# Allegro board 1010260-900-0012_PCB_Rev-a.brd (continued)
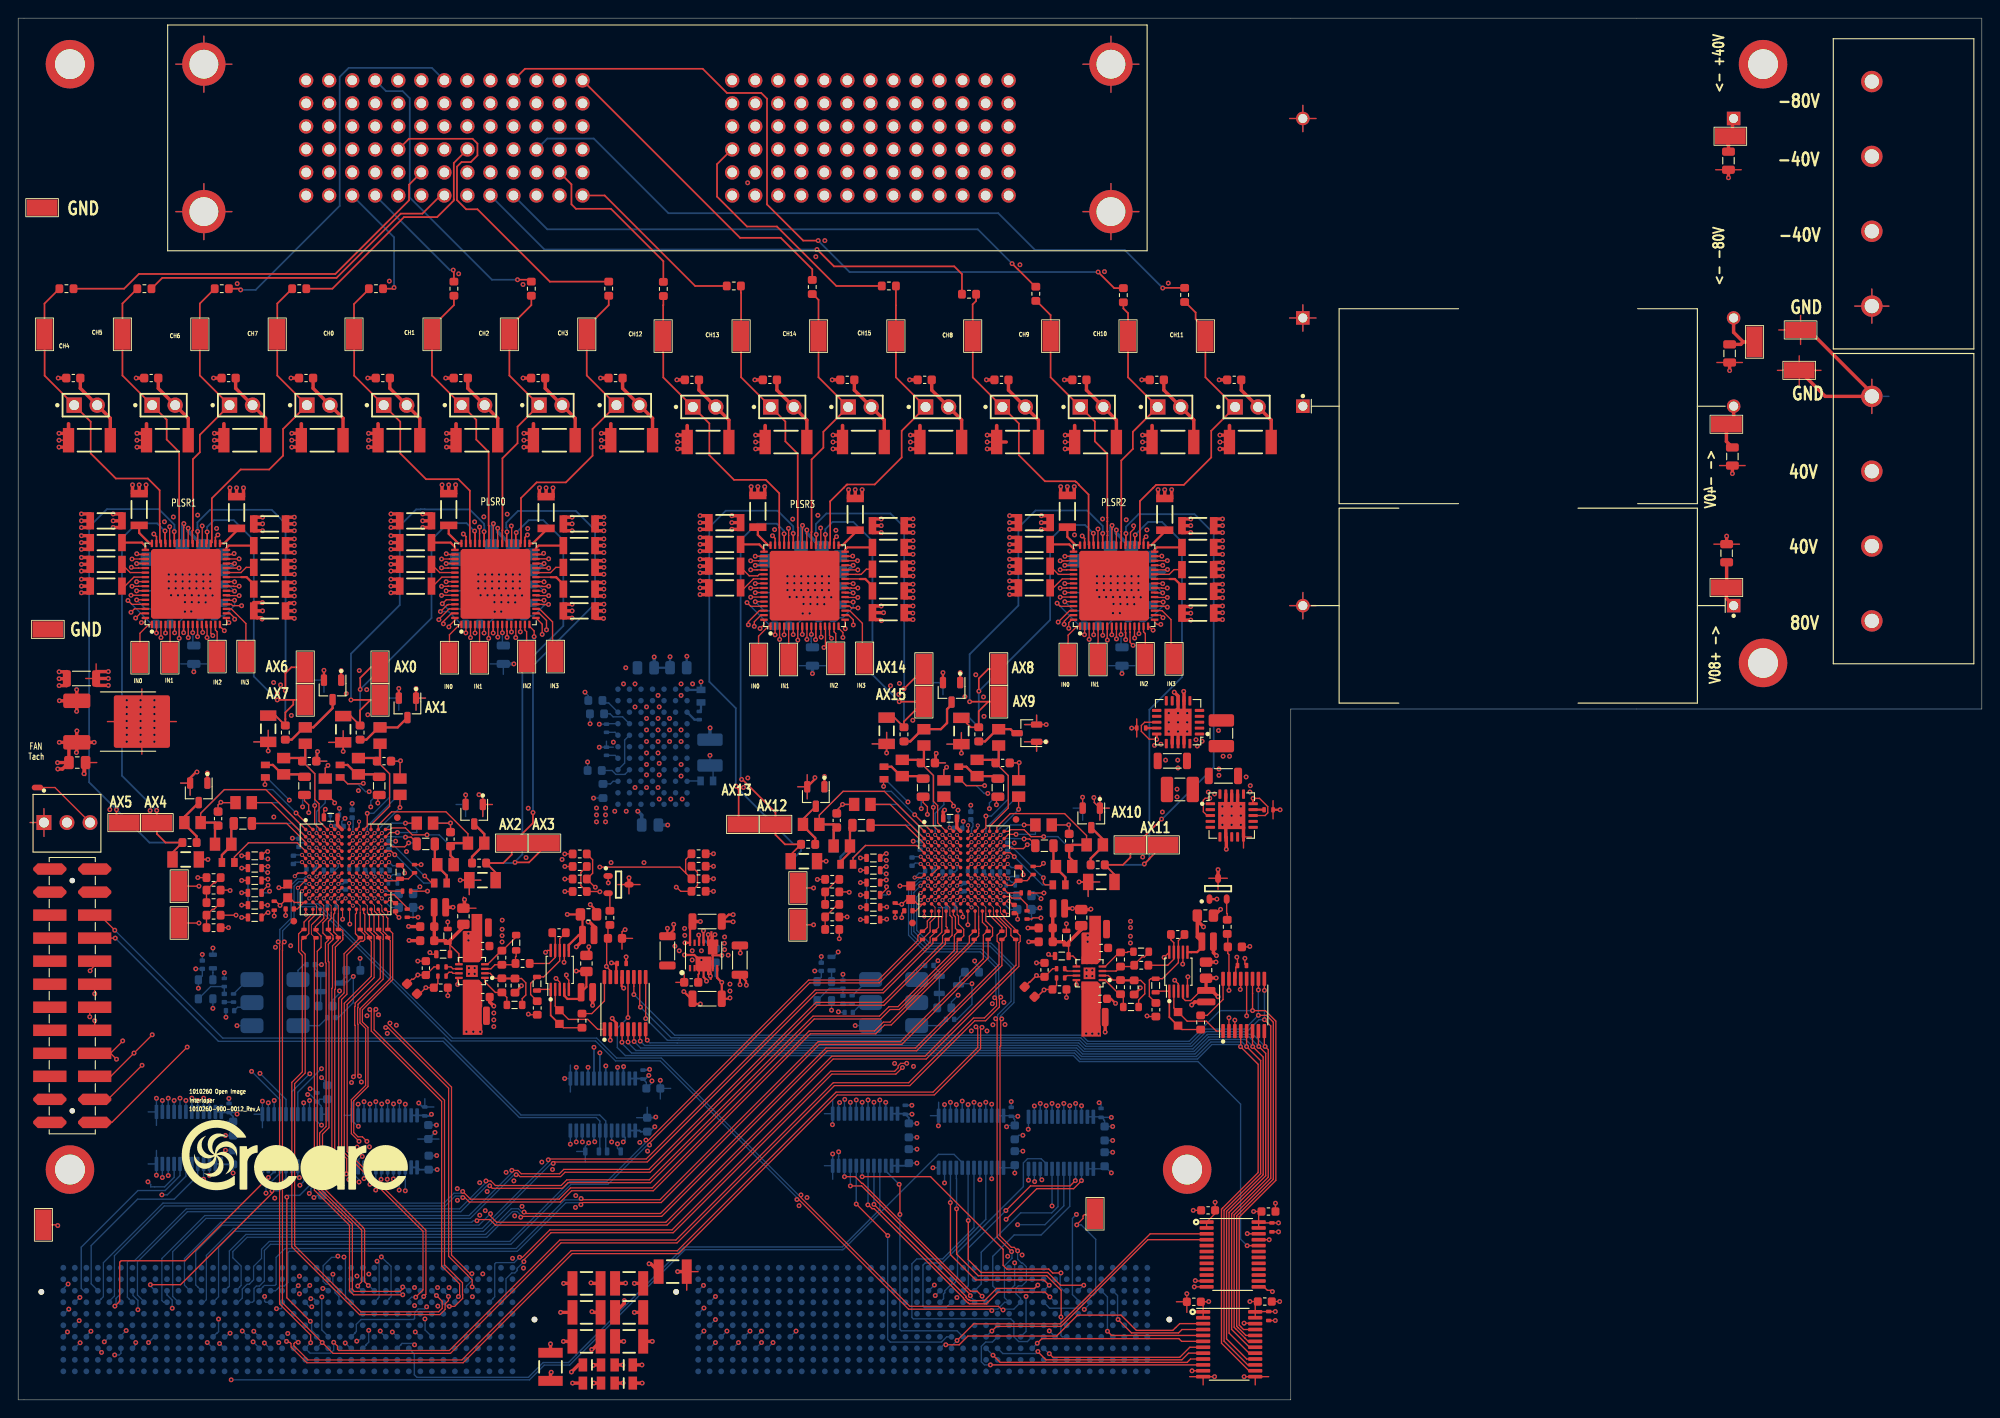
[diagram p0: board, top side]
## Routing (per net, layer and track width the routed paths; a pad name or vN(x,y) marks a point on that pad's centre or on a via; arc(x,y) is an arc through that point) (continued)
AX3: length 55.6
  TOP w0.196: v1(54.92,95.66) 54.92,95.56 54.88,95.52 U37.36 ; v1(54.79,59.29) 56.34,59.29 58.03,60.98 TP9.1
  BOTTOM w0.196: 54.72,59.29 54.73,59.29 v1(54.79,59.29) ; 54.72,59.29 54.65,59.21 R29.1 52.65,58.17 R34.2 ; 54.72,59.29 55.6,60.16 55.6,80.85 60.12,85.36 60.12,94.82 57.91,97.03 56.3,97.03 v1(54.92,95.66)
AX4: length 46.9
  TOP w0.196: v1(15.28,65.01) 15.3,64.99 TP4.1 15.3,62.43 16.25,61.47 R3.1 17.03,60.38 R7.2 ; v1(16.2,95.83) 16.2,94.52 U36.45
  BOTTOM w0.196: v1(15.28,65.01) 11.45,68.84 11.45,95.04 13.08,96.67 15.34,96.67 16.17,95.83 v1(16.2,95.83)
AX5: length 58.3
  TOP w0.196: v1(17.21,95.77) 17.21,94.5 U36.43 ; TP6.1 10.85,64.52 v1(10.85,65.1)
  BOTTOM w0.196: v1(17.21,95.77) 17.21,96.07 17.24,96.09 17.24,96.52 15.51,98.25 9.79,98.25 7.82,96.28 7.82,68.12 v1(10.85,65.1) 14.48,61.47 18.11,61.47 ; R14.2 17.03,60.38 18.11,61.47 ; 18.11,61.47 R12.1
AX6: length 42.3
  TOP w0.196: U36.38 19.79,94.51 v1(19.79,95.78) ; TP8.1 30.13,80.8 29.46,80.14 v1(29.46,78.23)
  BOTTOM w0.196: v1(19.79,95.78) 19.79,96.15 19.77,96.18 19.77,96.78 21.16,98.17 27.97,98.17 29.49,96.65 29.49,78.26 v1(29.46,78.23) R21.1 28.37,75.47 R25.2
AX7: length 35.5
  TOP w0.196: v1(20.84,95.73) 20.84,94.55 U36.36 ; v1(28.58,77.2) 30.34,77.2 ; 30.34,77.2 TP10.1 ; 30.34,77.2 30.34,76.69 29.46,75.82 29.46,75.07 29.46,75.07 R30.1 28.37,75.47 R35.2
  BOTTOM w0.196: v1(20.84,95.73) 20.84,96.28 21.59,97.03 23.77,97.03 25.99,94.82 25.99,79.79 v1(28.58,77.2)
AX8: length 37.5
  TOP w0.196: TP13.1 106.97,80.61 105.94,79.57 v1(105.94,78.16) ; v1(118.56,95.58) 118.56,94.31 U38.45
  BOTTOM w0.196: v1(118.56,95.58) 117.64,96.49 115.42,96.49 113.8,94.87 113.8,86.02 v1(105.94,78.16) 105.92,78.15 R81.1 104.88,75.22 R85.2
AX9: length 43.1
  TOP w0.196: U38.43 v1(119.6,95.56) ; v1(104.92,77.01) 106.97,77.01 ; 106.97,77.01 TP15.1 ; 106.97,77.01 105.92,75.96 R90.1 105.05,74.18 R95.2
  BOTTOM w0.196: v1(119.6,95.56) 119.6,96.38 117.88,98.09 112.18,98.09 110.29,96.21 110.29,87.61 104.92,82.24 v1(104.92,77.01)
AX10: length 58.6
  TOP w0.196: R103.2 120.89,57.95 R99.1 121.82,59.01 122.65,59.84 TP17.1 123.24,61.21 v1(126.09,64.06) ; v1(122.15,95.55) 122.15,94.33 U38.38
  BOTTOM w0.196: v1(122.15,95.55) 122.15,96.3 123.55,97.69 129.72,97.69 131.83,95.57 131.83,69.76 126.14,64.06 v1(126.09,64.06)
AX11: length 54.8
  TOP w0.196: TP19.1 124.74,59.7 124.74,59.66 v1(124.18,59.11) ; v1(123.17,95.4) 123.17,95.34 123.14,95.3 123.14,94.31 U38.36
  BOTTOM w0.196: R113.2 120.89,57.95 R108.1 124.09,59.01 v1(124.18,59.11) 124.74,59.66 124.74,76.12 128.33,79.72 128.33,94.63 126.13,96.83 124.6,96.83 v1(123.17,95.4)
AX12: length 47.2
  TOP w0.196: U39.45 84.47,95.44 84.46,95.45 v1(84.46,95.53) ; v1(79.78,68.43) 79.86,68.43 83.51,64.78 TP14.1 83.51,62.32 84.56,61.27 R82.1 85.19,60.13 R86.2
  BOTTOM w0.196: v1(79.78,68.43) 79.78,68.53 79.66,68.64 79.66,94.83 81.47,96.64 83.66,96.64 84.46,95.83 v1(84.46,95.53)
AX13: length 59.3
  TOP w0.196: v1(79.15,67.69) 79.15,67.64 79.45,67.34 79.45,63.93 TP16.1 ; U39.43 v1(85.47,95.56)
  BOTTOM w0.196: R93.2 86.33,60.55 R91.1 85.51,61.27 79.15,67.64 v1(79.15,67.69) 79.13,67.7 79.13,76.29 76.22,79.21 76.22,96.26 78.03,98.07 83.74,98.07 85.47,96.34 v1(85.47,95.56)
AX14: length 40.7
  TOP w0.196: TP18.1 99.85,80.61 v1(97.68,78.44) ; v1(88.01,95.45) 88.01,94.31 U39.38
  BOTTOM w0.196: R104.2 96.61,75.25 R100.1 v1(97.68,78.44) 97.7,78.46 97.7,96.25 96.19,97.76 89.13,97.76 87.96,96.6 87.96,95.7 88.01,95.66 v1(88.01,95.45)
AX15: length 35.9
  TOP w0.196: R114.2 96.61,75.25 R109.1 97.68,74.81 99.87,77.01 ; v1(97.16,77.01) 99.87,77.01 ; 99.87,77.01 TP20.1 ; U39.36 89.01,94.31 v1(89.01,95.45)
  BOTTOM w0.196: v1(89.01,95.45) 89.01,96.04 89.81,96.83 92.09,96.83 94.2,94.72 94.2,79.98 97.16,77.03 v1(97.16,77.01)
CH0: length 13.3
  TOP w0.196: R167.2 41.33,122.56 v1(41.45,122.68)
  BOTTOM w0.196: v1(41.45,122.68) 41.45,128.22 J4.C1
CH1: length 13.3
  TOP w0.196: R168.2 48.05,124.54 v1(47.98,124.61)
  BOTTOM w0.196: J4.D1 47.6,124.61 v1(47.98,124.61)
CH2: length 32.8
  TOP w0.196: R169.2 56.38,123.55 v1(55.07,123.55)
  BOTTOM w0.196: v1(55.07,123.55) 52.25,123.55 43.18,132.61 43.18,143.56 42.39,144.35 40.57,144.35 J4.D6
CH3: length 37.6
  TOP w0.196: J4.E3 43.09,139.09 50.11,139.09 50.65,138.56 50.65,137.26 49.91,136.53 48.89,136.53 48.39,136.02 48.39,132.33 49.4,131.32 50.65,131.32 58.63,123.34 R170.2
CH4: length 44.7
  TOP w0.196: R175.2 11.69,122.56 13.31,124.18 34.98,124.18 43.1,132.31 43.1,134.03 44.45,135.38 J4.F2
CH5: length 36.6
  TOP w0.196: J4.G1 46.58,132.84 44.58,130.84 42.19,130.84 35.1,123.75 15.89,123.75 R176.2
CH6: length 42.9
  TOP w0.196: R177.2 24.41,122.56 v1(24.54,122.43)
  BOTTOM w0.196: v1(24.54,122.43) 26.19,122.43 35.46,131.7 35.46,145.92 36.45,146.91 45.62,146.91 J4.G6
CH7: length 26.5
  TOP w0.196: R178.2 34.65,122.56 42.54,130.45 46.2,130.45 48.03,132.28 48.03,132.4 48.04,132.41 48.04,136.42 J4.H3
CH8: length 57.8
  TOP w0.196: v1(88.09,126.87) 88.11,126.87 89.97,125.02 103.23,125.02 104.07,124.17 R183.2
  BOTTOM w0.196: v1(88.09,126.87) 58.04,126.87 J4.J1
CH9: length 61.8
  TOP w0.196: R184.2 112.16,122.78 110.24,124.7 110.23,124.7 v1(109.6,125.32)
  BOTTOM w0.196: v1(109.6,125.32) 105.82,129.11 58.35,129.11 J4.K1
CH10: length 84.6
  TOP w0.196: R185.2 120.86,122.62 v1(119.09,124.4) ; J4.K6 55.89,146.81 75.49,146.81 78.16,144.15 81.94,144.15 82.58,143.51 82.58,131.85 86.56,127.86 v1(88.21,127.86)
  BOTTOM w0.196: v1(119.09,124.4) 91.68,124.4 v1(88.21,127.86)
CH11: length 78.8
  TOP w0.196: v1(126.21,122.63) 126.23,122.65 R186.2
  BOTTOM w0.196: J4.L3 57.78,138.54 57.78,138.55 58.35,139.12 63.47,139.12 71.7,130.89 108.08,130.89 112.14,126.82 122.02,126.82 v1(126.21,122.63)
CH12: length 19.1
  TOP w0.196: R196.2 71.15,125.59 65.37,131.37 61.51,131.37 61.01,131.87 61.01,134.07 J4.M2
CH13: length 20
  TOP w0.196: R197.2 74.65,122.86 64.67,132.84 J4.N1
CH14: length 35.1
  TOP w0.196: J4.N6 79.61,128.17 84.1,128.17 87.57,124.7 R198.2
CH15: length 28.2
  TOP w0.196: J4.P3 78.74,137.97 77.06,136.29 77.06,132.72 80.37,129.41 83.67,129.41 90.22,122.86 R199.2
DAC0_CSN: length 28.8
  TOP w0.152: U1.4 124.57,17.66 115.01,8.1 107.88,8.1 v1(107.37,7.59)
  BOTTOM w0.152: J2.D15 106.73,6.97 107.35,7.59 v1(107.37,7.59)
DAC0_CSN_3V3: length 96.8
  TOP w0.152: v1(67.25,42.16) U21.12 ; v1(135.52,17.01) 135.53,17.01 U1.20
  BOTTOM w0.152: v1(135.52,17.01) 134.8,17.73 134.8,32.61 130.1,37.31 117.02,37.31 116.36,37.97 66.95,37.97 66.07,38.86 66.07,40.98 v1(67.25,42.16)
DAC1_CSN: length 33.5
  TOP w0.152: v1(103.53,6.55) 105.36,8.38 114.9,8.38 124.83,18.31 U1.3
  BOTTOM w0.152: J2.C18 102.92,5.94 v1(103.53,6.55)
DAC1_CSN_3V3: length 31
  TOP w0.152: U1.21 v1(137.95,17.66) ; U34.12 v1(135.46,42.35)
  L3 - SIG1 w0.152: v1(137.95,17.66) 137.95,39.87 v1(135.46,42.35)
DAC_D0: length 31.5
  TOP w0.152: U2.3 128.08,8.41 127.66,7.98 127.62,7.96 127.33,7.67 123.3,7.67 121.62,9.35 116.81,9.35 114.51,7.04 104.73,7.04 103.76,6.07 v1(102.29,6.07)
  BOTTOM w0.152: J2.C19 102.04,6.07 102.29,6.07 v1(102.29,6.07)
DAC_D0_3V3: length 117.4
  TOP w0.152: v1(67.89,44.7) 67.89,45.62 67.9,45.62 U21.11 ; U2.21 135.13,7.76 134.8,8.09 134.65,8.24 134.65,20.18 138.68,24.21 138.68,41.77 137.52,42.93 v1(136.12,42.93) 136.12,44.83 136.11,44.84 U34.11
  BOTTOM w0.152: v1(136.12,42.93) 132.52,42.93 129.13,39.55 117.95,39.55 117.28,40.22 72.39,40.22 67.91,44.7 v1(67.89,44.7)
DAC_D1: length 13.6
  TOP w0.152: U2.4 128.33,7.76 127.96,7.39 122.76,7.39 v1(121.29,8.86)
  BOTTOM w0.152: J2.H4 121.23,11.51 121.23,8.92 v1(121.29,8.86)
DAC_D1_3V3: length 118.1
  TOP w0.152: U2.20 135.38,7.11 134.52,7.97 134.37,8.12 134.37,20.29 138.4,24.33 138.4,41.66 137.65,42.41 v1(136.76,42.41) ; v1(68.62,43.32) 68.55,43.39 U21.10 ; U34.10 136.76,45.22 v1(136.76,45.21)
  BOTTOM w0.152: 136.75,42.41 136.75,45.21 v1(136.76,45.21) ; 136.75,42.41 v1(136.76,42.41) ; 136.75,42.41 135.23,40.89 130.89,40.89 129.26,39.27 117.83,39.27 117.17,39.93 72.91,39.93 72.9,39.94 72,39.94 v1(68.62,43.32)
DAC_D2: length 15.5
  TOP w0.152: U2.5 120.58,7.11 v1(120.12,7.57)
  BOTTOM w0.152: J2.H5 120.12,11.35 v1(120.12,7.57)
DAC_D2_3V3: length 118.7
  TOP w0.152: v1(137.43,45.17) 137.41,45.18 U34.9 ; U2.19 135.64,6.46 135.27,6.83 134.09,8.01 134.09,20.41 138.13,24.45 138.13,41.24 v1(137.43,41.94) ; v1(69.2,42.06) U21.9
  BOTTOM w0.152: v1(137.43,45.17) v1(137.43,41.94) 136.83,41.94 135.51,40.61 131.01,40.61 129.39,38.99 117.72,38.99 117.06,39.65 72.79,39.65 72.78,39.66 71.59,39.66 v1(69.2,42.06)
DAC_D3: length 19.4
  TOP w0.152: U2.6 128.29,6.46 127.99,6.76 112.89,6.76 v1(112.37,6.24)
  BOTTOM w0.152: v1(112.37,6.24) J2.C11
DAC_D3_3V3: length 109.2
  TOP w0.152: U34.8 137.41,39.07 137.5,38.99 v1(137.5,38.97) 137.85,38.63 137.85,24.56 133.81,20.52 133.81,7.77 135.77,5.81 U2.18 ; U21.8 69.2,39.79 69.32,39.67 v1(69.37,39.67)
  BOTTOM w0.152: v1(69.37,39.67) 69.66,39.38 72.67,39.38 72.68,39.37 116.94,39.37 117.6,38.71 129.54,38.71 131.11,40.28 131.15,40.28 131.17,40.31 136.16,40.31 v1(137.5,38.97)
DAC_D4: length 18.5
  TOP w0.152: U2.7 129.2,5.81 128.09,4.7 114.1,4.7 v1(113.7,5.09)
  BOTTOM w0.152: J2.C10 113.54,5.23 113.56,5.23 v1(113.7,5.09)
DAC_D4_3V3: length 110.2
  TOP w0.152: U21.7 68.55,39.62 v1(68.6,39.57) ; U34.7 136.76,39.02 v1(136.81,38.98) 137.57,38.22 137.57,24.72 133.53,20.68 133.53,7.37 135.74,5.16 U2.17
  BOTTOM w0.152: v1(136.81,38.98) 136.79,38.98 135.74,40.03 131.29,40.03 131.26,40.01 131.23,40.01 129.65,38.43 117.49,38.43 116.83,39.09 69.08,39.09 v1(68.6,39.57)
DAC_D5: length 23.7
  TOP w0.152: U2.8 129.06,5.16 128.32,4.42 113.34,4.42 112.45,5.31 v1(112.45,5.33)
  BOTTOM w0.152: J2.C14 108.58,5.11 112.22,5.11 v1(112.45,5.33)
DAC_D5_3V3: length 111.3
  TOP w0.152: U34.6 136.11,39.01 136.13,38.99 v1(136.13,38.97) 137.29,37.81 137.29,24.83 133.25,20.79 133.25,6.73 135.47,4.51 U2.16 ; U21.6 67.9,39.55 v1(67.93,39.52)
  BOTTOM w0.152: v1(136.13,38.97) 135.35,39.75 131.41,39.75 131.38,39.73 131.34,39.73 129.77,38.15 117.37,38.15 116.71,38.81 68.64,38.81 v1(67.93,39.52)
DAC_D6: length 24.7
  TOP w0.152: v1(107.49,4.92) 108.28,4.14 128.9,4.14 129.27,4.51 U2.9
  BOTTOM w0.152: J2.C15 v1(107.49,4.92)
DAC_D6_3V3: length 112.2
  TOP w0.152: U34.5 135.46,40.67 v1(135.46,38.97) 137.01,37.42 137.01,24.95 132.97,20.91 132.97,6.48 135.59,3.86 U2.15 ; U21.5 67.25,39.48 v1(67.25,39.47)
  BOTTOM w0.152: v1(135.46,38.97) 134.96,39.47 131.52,39.47 129.92,37.87 117.25,37.87 116.59,38.53 68.11,38.53 67.25,39.39 v1(67.25,39.47)
DAC_D7: length 28.5
  TOP w0.152: U2.10 v1(107.21,3.86)
  BOTTOM w0.152: v1(107.21,3.86) 106.55,3.86 106.21,4.2 106.21,5.9 106.68,6.38 107.42,6.38 J2.D14
DAC_D7_3V3: length 113.1
  TOP w0.152: U21.4 66.6,39.46 v1(66.58,39.45) ; U34.4 134.81,38.99 v1(134.79,38.96) 136.73,37.02 136.73,25.07 132.81,21.15 132.81,21.15 132.69,21.03 132.69,6.25 135.73,3.21 U2.14
  BOTTOM w0.152: v1(66.58,39.45) 66.58,39.32 67.65,38.25 116.48,38.25 117.14,37.59 130.04,37.59 131.64,39.19 134.55,39.19 v1(134.79,38.96)
FAN_FREQ: length 7.4
  TOP w0.152: TP63.1 4.06,67.54 J23.3
LI-A0: length 14
  TOP w0.152: U10.A9 38.49,63.3 v1(38.49,64.69)
  BOTTOM w0.152: C34.2 39.57,70.42 40.96,69.03 40.96,66.46 39.2,64.69 v1(38.49,64.69)
  BOTTOM w0.254: C31.2 39.9,70.78 C34.2 39.23,70.79 C35.1
LI-A1: length 13.9
  TOP w0.152: U23.A9 106.71,63.1 v1(106.71,64.39)
  BOTTOM w0.152: v1(106.71,64.39) 107.3,64.39 109.18,66.26 109.18,68.84 107.79,70.23 C92.2
  BOTTOM w0.254: C93.1 107.45,70.59 C92.2 108.12,70.59 C89.2
LI-B0: length 13.2
  TOP w0.152: C42.2 40.96,69.06 40.96,65.47 38.91,63.42 U10.A10
  TOP w0.254: C39.2 39.9,70.78 C42.2 39.23,70.79 C43.1
LI-B1: length 13.2
  TOP w0.152: U23.A10 107.12,63.22 109.18,65.27 109.18,68.86 C100.2
  TOP w0.254: C97.2 108.12,70.59 C100.2 107.45,70.59 C101.1
LI-C0: length 17.3
  TOP w0.152: U10.A11 39.71,63.38 41.19,64.86 47.18,64.86 49.6,62.44 C47.2
  TOP w0.254: C52.1 48.02,59.69 47.68,60.03 C51.2 48.01,61.41 C47.2
LI-C1: length 17.3
  TOP w0.152: U23.A11 107.92,63.18 109.4,64.66 115.39,64.66 117.81,62.24 C105.2
  TOP w0.254: C105.2 116.23,61.21 C109.2 115.89,59.86 116.23,59.52 C110.1
LI-D0: length 12.3
  TOP w0.152: v1(45.08,62.32) 43.47,62.32 42.71,63.08 41.19,63.08 41.02,62.91 U10.A12
  BOTTOM w0.152: v1(45.08,62.32) 46.43,62.32 C57.2
  BOTTOM w0.254: C55.2 48.01,61.41 C57.2 47.68,60.03 48.02,59.69 C58.1
LI-D1: length 12.3
  TOP w0.152: U23.A12 109.23,62.71 109.4,62.88 110.93,62.88 111.69,62.12 v1(113.09,62.12)
  BOTTOM w0.152: v1(113.09,62.12) 114.65,62.12 C115.2
  BOTTOM w0.254: C116.1 116.23,59.52 115.89,59.86 C115.2 116.23,61.21 C113.2
LI-E0: length 19.8
  TOP w0.152: C32.2 20.13,64.7 22.74,67.31 27.3,67.31 U10.A1
  TOP w0.254: C32.2 21.71,63.67 C36.2 21.71,62.99 C37.1
LI-E1: length 19.8
  TOP w0.152: U23.A1 95.52,67.11 90.95,67.11 88.34,64.5 C90.2
  TOP w0.254: 90.24,63.14 89.9,63.47 88.47,63.47 88.34,63.6 ; 90.24,63.14 C94.2 ; 90.24,63.14 90.2,63.14 89.92,62.87 C95.1
LI-F0: length 20.6
  TOP w0.152: v1(30.64,64.73) 32.47,62.91 U10.A2
  BOTTOM w0.152: C40.2 20.13,64.7 22.74,67.31 28.07,67.31 v1(30.64,64.73)
  BOTTOM w0.254: C45.1 21.71,62.99 C44.2 21.71,63.67 C40.2
LI-F1: length 20.6
  TOP w0.152: v1(98.86,64.53) 100.68,62.71 U23.A2
  BOTTOM w0.152: C98.2 88.34,64.5 90.95,67.11 96.28,67.11 v1(98.86,64.53)
  BOTTOM w0.254: C98.2 89.93,63.47 C102.2 90.21,63.14 89.92,62.85 C103.1
LI-G0: length 12.6
  TOP w0.152: v1(32.7,65.55) 32.7,63.51 U10.A3
  BOTTOM w0.152: C53.2 31.33,70.42 32.7,69.05 v1(32.7,65.55)
  BOTTOM w0.254: C48.2 31.66,70.78 C53.2 30.99,70.79 C49.1
LI-G1: length 12.6
  TOP w0.152: U23.A3 100.92,63.32 v1(100.92,65.35)
  BOTTOM w0.152: v1(100.92,65.35) 100.92,68.85 99.54,70.23 C111.2
  BOTTOM w0.254: C106.2 99.88,70.59 C111.2 99.2,70.59 C107.1
LI-H0: length 12.9
  TOP w0.152: U10.A4 33.18,63.84 33.18,65.75 32.72,66.21 32.72,69.06 C59.2
  TOP w0.254: C60.1 30.99,70.79 C59.2 31.66,70.78 C56.2
LI-H1: length 12.9
  TOP w0.152: U23.A4 101.39,63.64 101.39,65.55 100.93,66.01 100.93,68.86 C117.2
  TOP w0.254: C114.2 99.88,70.59 C117.2 99.2,70.59 C118.1
LO-A0: length 4.9
  BOTTOM w0.254: R5.1 36.33,70.03 37.37,68.99 C35.2 39.54,68.99 R4.1
LO-A1: length 4.9
  BOTTOM w0.254: R84.1 104.55,69.83 105.59,68.79 C93.2 107.76,68.79 R83.1
LO-B0: length 4.9
  TOP w0.254: R9.1 39.54,68.99 C43.2 37.37,68.99 36.33,70.03 R10.1
LO-B1: length 4.9
  TOP w0.254: R88.1 107.76,68.79 C101.2 105.59,68.79 104.55,69.83 R89.1
LO-C0: length 4.9
  TOP w0.254: R17.1 47.26,57.84 46.22,58.88 C52.2 46.22,59.18 45.95,59.45 R15.1
LO-C1: length 4.9
  TOP w0.254: R94.1 114.16,59.25 114.43,58.98 C110.2 114.43,58.68 115.47,57.64 R96.1
LO-D0: length 4.9
  BOTTOM w0.254: R22.1 47.26,57.84 46.22,58.88 C58.2 46.22,59.18 45.95,59.45 R19.1
LO-D1: length 4.9
  BOTTOM w0.254: R98.1 114.16,59.25 114.43,58.98 C116.2 114.43,58.68 115.47,57.64 R101.1
LO-E0: length 4.9
  TOP w0.254: R27.1 22.47,60.1 23.51,61.14 C37.2 23.51,63.31 R26.1
LO-E1: length 4.9
  TOP w0.254: R106.1 90.68,59.37 91.72,60.41 C95.2 91.72,63.11 R105.1
LO-F0: length 4.9
  BOTTOM w0.254: R31.1 23.51,63.31 C45.2 23.51,61.14 22.47,60.1 R32.1
LO-F1: length 4.9
  BOTTOM w0.254: R110.1 91.72,63.11 C103.2 91.72,60.94 90.68,59.9 R111.1
LO-G0: length 4.9
  BOTTOM w0.254: R36.1 31.3,68.99 C49.2 29.13,68.99 28.09,70.03 R37.1
LO-G1: length 4.9
  BOTTOM w0.254: R115.1 99.52,68.79 C107.2 97.35,68.79 96.31,69.83 R116.1
LO-H0: length 4.9
  TOP w0.254: R40.1 28.09,70.03 29.13,68.99 C60.2 31.3,68.99 R39.1
LO-H1: length 4.9
  TOP w0.254: R119.1 96.31,69.83 97.35,68.79 C118.2 99.52,68.79 R118.1
PLSR0_CLK: length 61.1
  L3 - SIG1 w0.152: v1(63.58,28.46) 63.96,28.08 63.96,12.8 55.97,4.81 30.71,4.81 28.49,7.04 v1(28.49,10.06)
  BOTTOM w0.152: v1(28.49,10.06) 28.99,10.06 29.11,10.18 J3.G21 ; v1(63.58,28.46) 63.49,28.55 U9.8
PLSR0_CLK_3V3: length 57.3
  TOP w0.196: U37.8 v1(52.38,84.58)
  L8 - SIG4 w0.152: v1(62.84,36.68) 62.84,44.35 66.32,47.83 66.32,59.26 52.38,73.2 v1(52.38,84.58)
  BOTTOM w0.196: U9.16 v1(62.84,36.68)
PLSR0_NEG0: length 24.5
  L8 - SIG4 w0.152: v1(41.26,7.48) 37.72,11.02 35.99,11.02 31.06,15.95 v1(31.06,23.67)
  BOTTOM w0.152: v1(31.06,23.67) 31.48,24.09 U7.5 ; J3.D11 41.81,6.96 41.79,6.96 41.26,7.48 v1(41.26,7.48)
PLSR0_NEG0_3V3: length 70.9
  TOP w0.152: v1(46.89,85.6) 46.89,85.85 47.78,86.75 U37.63
  L3 - SIG1 w0.152: v1(46.89,85.6) 46.89,83.16 51.57,78.47 51.57,47.21 41.38,37.01 33.93,37.01 v1(33.45,36.52)
  BOTTOM w0.152: U7.19 30.83,33.93 33.43,36.52 v1(33.45,36.52)
PLSR0_NEG1: length 24.3
  L3 - SIG1 w0.152: v1(44.86,8.93) 44.3,9.49 44.3,11.6 44.56,11.86 44.56,21.97 42.92,23.62 39.73,23.62 38.94,24.41 v1(38.14,24.41)
  BOTTOM w0.152: v1(44.86,8.93) 44.87,8.91 44.87,7.7 J3.D8 ; v1(38.14,24.41) U8.10
PLSR0_NEG1_3V3: length 62
  TOP w0.152: U37.3 v1(49.88,84.07)
  L3 - SIG1 w0.152: v1(49.88,84.07) 49.88,82.07 52.41,79.54 52.41,46.86 41.69,36.13 40.58,36.13 37.49,33.05 v1(37.49,32.61)
  BOTTOM w0.152: U8.14 v1(37.49,32.61)
PLSR0_NEG2: length 30
  L8 - SIG4 w0.152: v1(40.02,24.32) 40.64,23.7 40.64,11.94 44.3,8.28 44.3,7.14 44.04,6.88 43.45,6.88 42.64,6.07 36.27,6.07 v1(36.07,6.27)
  BOTTOM w0.152: J3.C15 36.73,5.69 36.65,5.69 v1(36.07,6.27) ; v1(40.02,24.32) 40.04,24.34 40.04,25.59 U8.7
PLSR0_NEG2_3V3: length 61
  TOP w0.152: v1(54.86,84.07) 54.88,84.09 U37.13
  L3 - SIG1 w0.152: v1(39.44,32.89) 39.63,32.89 53.71,46.97 53.71,53.05 53.28,53.48 53.28,80.62 54.86,82.21 v1(54.86,84.07)
  BOTTOM w0.152: U8.17 v1(39.44,32.89)
PLSR0_NEG3: length 21.6
  L3 - SIG1 w0.152: v1(42.02,23.14) 42.02,23.06 41.02,22.06 41.02,10.87 38.66,8.51 v1(38.66,7.67)
  BOTTOM w0.152: J3.C14 38.39,6.07 38.39,6.08 38.39,6.1 38.66,6.37 v1(38.66,7.67) ; v1(42.02,23.14) 42.02,25.62 U8.4
PLSR0_NEG3_3V3: length 62.3
  TOP w0.152: v1(57.78,84.43) 57.78,85.56 U37.17
  L3 - SIG1 w0.152: v1(41.39,32.64) 41.39,33.46 54.55,46.62 54.55,53.39 54.11,53.82 54.11,78.75 57.78,82.42 v1(57.78,84.43)
  BOTTOM w0.152: U8.20 v1(41.39,32.64)
PLSR0_OTPN: length 118.1
  TOP w0.152: J1.10 8.44,47.9 7.94,47.4 v1(7.94,47.33) ; v1(58.49,87.74) 58.21,87.74 58.19,87.71 57.79,87.71 57.76,87.75 U37.20
  L3 - SIG1 w0.152: v1(58.49,87.74) 60.21,86.01 60.21,61.37 61.21,60.36 61.21,42.08 51.02,31.88 50.78,31.88 50.75,31.85 15.39,31.85 9.28,37.96 9.28,43.21 7.94,44.55 v1(7.94,47.33)
PLSR0_POS0: length 22
  TOP w0.152: v1(32.22,8.67) 29.63,11.26 v1(29.63,22.36)
  BOTTOM w0.152: v1(32.22,8.67) 32.22,8.64 32.36,8.5 32.36,7.67 32.9,7.13 32.9,6.99 32.92,6.96 J3.D18 ; U7.4 32.18,25.72 32.18,23.7 31.04,22.56 29.82,22.56 v1(29.63,22.36)
PLSR0_POS0_3V3: length 69.7
  TOP w0.152: U37.64 48.16,86.01 47.5,85.34 v1(47.5,85.26)
  L3 - SIG1 w0.152: v1(31.48,32.77) 31.48,34.32 33.21,36.05 33.65,36.05 34.29,36.69 41.45,36.69 51.85,47.09 51.85,78.7 47.5,83.06 v1(47.5,85.26)
  BOTTOM w0.152: U7.20 v1(31.48,32.77)
PLSR0_POS1: length 21.2
  L3 - SIG1 w0.152: v1(33.49,11.35) 38.79,16.65 v1(38.79,23.77)
  BOTTOM w0.152: U8.9 v1(38.79,23.77) ; v1(33.49,11.35) 33.49,7.71 34.17,7.03 34.17,6.99 34.19,6.96 J3.D17
PLSR0_POS1_3V3: length 61.5
  TOP w0.152: U37.4 v1(50.38,84.58)
  L3 - SIG1 w0.152: v1(50.38,84.58) 50.38,82.84 52.69,80.53 52.69,46.74 41.8,35.85 41.1,35.85 v1(38.14,32.89)
  BOTTOM w0.152: U8.15 v1(38.14,32.89)
PLSR0_POS2: length 28.9
  L3 - SIG1 w0.152: v1(40.7,24.33) 40.74,24.33 41.15,23.93 41.18,23.9 43.03,23.9 45.06,21.87 45.06,10.27 v1(45.05,10.26)
  BOTTOM w0.152: v1(40.7,24.33) 40.74,24.37 U8.6 ; J3.D15 37.12,7.34 37.12,7.35 37.12,7.37 37.29,7.54 37.29,8.33 37.82,8.86 43.61,8.86 43.71,8.97 43.71,9.63 44.12,10.03 44.82,10.03 v1(45.05,10.26)
PLSR0_POS2_3V3: length 61
  TOP w0.152: U37.14 55.38,84.72 v1(55.37,84.71)
  L3 - SIG1 w0.152: v1(55.37,84.71) 55.62,84.46 55.62,81.53 53.56,79.46 53.56,53.59 53.99,53.16 53.99,46.85 40.09,32.95 v1(40.09,32.64)
  BOTTOM w0.152: U8.18 v1(40.09,32.64)
PLSR0_POS3: length 20.1
  L3 - SIG1 w0.152: v1(39.93,7.59) 39.93,9.37 41.9,11.34 41.9,16.4 42.29,16.79 42.29,22.66 42.49,22.86 v1(42.69,23.06)
  BOTTOM w0.152: v1(42.69,23.06) U8.3 ; J3.D12 40.54,6.96 40.49,6.96 39.93,7.52 v1(39.93,7.59)
PLSR0_POS3_3V3: length 63.1
  TOP w0.152: v1(58.26,84.93) 58.26,85.96 57.48,86.75 U37.18
  L3 - SIG1 w0.152: v1(58.26,84.93) 58.26,82.29 54.39,78.42 54.39,53.94 54.83,53.51 54.83,46.5 42.04,33.72 v1(42.04,32.89)
  BOTTOM w0.152: U8.21 v1(42.04,32.89)
PLSR0_SEL0: length 25.4
  L8 - SIG4 w0.152: v1(31.01,24.51) 31.78,23.74 31.78,18.26 37.15,12.89 37.58,12.89 37.78,12.7 37.78,12.26 38.73,11.3 39.98,11.3 v1(43.79,7.49)
  BOTTOM w0.152: v1(31.01,24.51) 30.99,24.51 30.83,24.66 U7.6 ; v1(43.79,7.49) 44.33,6.96 44.35,6.96 J3.D9
PLSR0_SEL0_3V3: length 72.2
  TOP w0.152: v1(46.39,86.05) 46.41,86.07 46.41,86.12 47.53,87.25 U37.62
  L3 - SIG1 w0.152: v1(46.39,86.05) 46.41,86.04 46.41,83.01 51.3,78.12 51.3,47.35 41.24,37.29 33.48,37.29 v1(32.16,35.97)
  BOTTOM w0.152: U7.18 30.18,33.99 v1(32.16,35.97)
PLSR0_SEL1: length 27.6
  TOP w0.152: v1(32.11,22.77) 32.11,22.63 32.05,22.58
  L3 - SIG1 w0.152: v1(32.11,22.77) 32.11,17.36 29.12,14.38 29.12,10.73 33.07,6.78 37.03,6.78 v1(37.34,6.48)
  BOTTOM w0.152: J3.D14 37.98,6.96 37.5,6.48 v1(37.34,6.48) ; U7.3 32.78,23.83 32.42,23.46 32.42,23.45 32.28,23.31 32.28,22.94 v1(32.11,22.77)
PLSR0_SEL1_3V3: length 67
  TOP w0.152: U37.2 49.38,84.61 v1(49.36,84.59)
  L3 - SIG1 w0.152: v1(49.36,84.59) 49.36,81.83 52.13,79.06 52.13,46.97 41.57,36.41 35.53,36.41 v1(32.13,33.02)
  BOTTOM w0.152: U7.21 v1(32.13,33.02)
PLSR0_SEL2: length 19.6
  L3 - SIG1 w0.152: v1(32.38,10.27) 32.38,10.27 32.44,10.27 arc(32.52,10.29) 32.58,10.33 33.14,10.33 39.07,16.26 39.07,22.78 39.13,22.84 v1(39.43,23.14)
  BOTTOM w0.152: U8.8 39.44,23.15 v1(39.43,23.14) ; J3.G19 31.65,10.76 31.65,10.74 32.12,10.27 32.37,10.27 v1(32.38,10.27)
PLSR0_SEL2_3V3: length 61
  TOP w0.152: v1(54.4,84.69) 54.39,84.71 54.39,85.52 U37.12
  L3 - SIG1 w0.152: v1(38.79,32.64) 38.79,33.02 41.29,35.52 41.87,35.52 52.97,46.63 52.97,81.9 54.39,83.32 54.39,84.68 v1(54.4,84.69)
  BOTTOM w0.152: U8.16 v1(38.79,32.64)
PLSR0_SEL3: length 37.9
  L3 - SIG1 w0.152: v1(32.27,11.16) 32,11.16 31.85,11.01 31.85,9.96 34.69,7.12 43.88,7.12 45.73,8.97 45.73,10.39 45.79,10.45 45.79,11.65 45.9,11.75 45.9,21.74 43.27,24.37 v1(41.38,24.37)
  BOTTOM w0.152: v1(41.38,24.37) 41.39,24.39 U8.5 ; v1(32.27,11.16) 32.59,11.16 32.9,10.86 32.9,10.79 32.92,10.77 J3.G18
PLSR0_SEL3_3V3: length 61.4
  TOP w0.152: U37.16 56.38,85.33 56.9,84.81 v1(56.9,84.18)
  L3 - SIG1 w0.152: v1(40.74,32.89) 40.74,33.21 54.27,46.74 54.27,53.28 53.84,53.71 53.84,79.1 56.9,82.16 v1(56.9,84.18)
  BOTTOM w0.152: U8.19 v1(40.74,32.89)
PLSR1_CLK: length 55
  L8 - SIG4 w0.152: v1(62.22,28.45) 62.22,26.17 54,17.96 54,13.82 46.51,6.33 44.27,6.33 43.99,6.6 43.57,6.6 42.6,5.64 25.08,5.64 v1(23.37,7.35)
  BOTTOM w0.152: v1(23.37,7.35) 23.32,7.35 22.92,6.96 22.77,6.96 J3.D26 ; U9.10 62.22,29.68 v1(62.22,28.45)
PLSR1_CLK_3V3: length 84.1
  TOP w0.196: U36.8 v1(18.25,84.62)
  L8 - SIG4 w0.152: v1(18.25,84.62) 18.25,83.91 22.3,79.86 43.71,79.86 65.79,57.78 65.79,47.93 61.54,43.69 v1(61.54,36.68)
  BOTTOM w0.196: U9.14 v1(61.54,36.68)
PLSR1_NEG0: length 27.1
  L3 - SIG1 w0.152: v1(16.99,10.11) 16.23,9.35 12.99,9.35 12.73,9.61 12.73,15.86 14.31,17.44 v1(14.31,24.05)
  BOTTOM w0.152: v1(16.99,10.11) 16.99,11 16.41,11.58 J3.H31 ; v1(14.31,24.05) 14.62,23.75 14.62,23.5 15.04,23.5 16.15,23.5 17.2,24.54 U6.9
PLSR1_NEG0_3V3: length 57.3
  TOP w0.152: U36.63 13.47,86.75 v1(12.95,86.23)
  L3 - SIG1 w0.152: v1(12.95,86.23) 13.11,86.07 13.11,81.65 16.45,78.32 16.45,33.38 v1(16.55,33.27)
  BOTTOM w0.152: U6.15 v1(16.55,33.27)
PLSR1_NEG1: length 23.7
  L3 - SIG1 w0.152: v1(22.21,6.21) 16.87,11.56 16.87,22.47 v1(19.14,24.75)
  BOTTOM w0.152: U6.6 19.15,24.75 v1(19.14,24.75) ; v1(22.21,6.21) 22.74,5.69 22.76,5.69 J3.C26
PLSR1_NEG1_3V3: length 54.9
  TOP w0.152: U36.3 v1(15.75,84.07)
  L3 - SIG1 w0.152: v1(15.75,84.07) 15.75,83.39 17.28,81.85 17.28,34.63 18.5,33.42 v1(18.5,33.02)
  BOTTOM w0.152: U6.18 v1(18.5,33.02)
PLSR1_NEG2: length 22.6
  L3 - SIG1 w0.152: v1(25.91,6.4) 25.91,6.87 24.77,8.01 24.77,21.1 v1(21.1,24.77)
  BOTTOM w0.152: v1(25.91,6.4) 26.55,5.76 26.55,5.71 26.57,5.69 J3.C23 ; U6.3 v1(21.1,24.77)
PLSR1_NEG2_3V3: length 55.9
  TOP w0.152: v1(20.83,84.07) 20.83,85.45 U36.13
  L3 - SIG1 w0.152: v1(20.45,33.27) 18.12,35.6 18.12,81.19 20.83,83.9 v1(20.83,84.07)
  BOTTOM w0.152: U6.21 v1(20.45,33.27)
PLSR1_NEG3: length 21.5
  L3 - SIG1 w0.152: v1(27.33,22.8) 26.76,22.23 26.76,6.67 v1(27.15,6.27)
  BOTTOM w0.152: v1(27.15,6.27) 27.74,5.69 27.84,5.69 J3.C22 ; U7.9 28.88,25.02 27.33,23.47 v1(27.33,22.8)
PLSR1_NEG3_3V3: length 60.9
  TOP w0.152: v1(23.24,85.72) 22.97,86 U36.17
  L3 - SIG1 w0.152: v1(23.24,85.72) 22.86,85.72 22.23,85.09 22.23,82.46 18.68,78.92 18.68,42.57 v1(28.23,33.02)
  BOTTOM w0.152: U7.15 v1(28.23,33.02)
PLSR1_OTPN: length 148.8
  TOP w0.152: J1.12 v1(8.44,44.79) ; v1(24.64,87.59) 23.66,87.59 23.51,87.75 U36.20
  L3 - SIG1 w0.152: v1(8.44,44.79) 9.63,43.6 9.63,38.01 15.51,32.13 50.63,32.13 60.88,42.38 60.88,60.29 59.93,61.24 59.93,85.6 58.05,87.48 53.85,87.48 53.84,87.49 52.31,87.49 51.66,88.14 45.78,88.14 45.12,87.49 31.3,87.49 30.53,88.27 25.31,88.27 v1(24.64,87.59)
PLSR1_POS0: length 20.7
  BOTTOM w0.152: J3.H38 7.52,12.04 7.22,12.04 6.96,12.29 6.96,16.84 13.21,23.09 16.21,23.09 17.85,24.73 U6.8
PLSR1_POS0_3V3: length 56.3
  TOP w0.152: U36.64 14.03,85.88 13.88,85.72 v1(13.59,85.72)
  L3 - SIG1 w0.152: v1(13.59,85.72) 14.71,84.61 14.71,81.45 16.73,79.43 16.73,33.88 17.2,33.41 v1(17.2,33.02)
  BOTTOM w0.152: U6.16 v1(17.2,33.02)
PLSR1_POS1: length 21.5
  BOTTOM w0.152: J3.H37 8.79,12.04 8.77,12.06 8.77,12.09 8.05,12.8 8.05,17.02 13.17,22.14 17.21,22.14 19.8,24.73 U6.5
PLSR1_POS1_3V3: length 55
  TOP w0.152: U36.4 v1(16.25,84.58)
  L3 - SIG1 w0.152: v1(19.15,33.27) 17.56,34.86 17.56,83.27 v1(16.25,84.58)
  BOTTOM w0.152: U6.19 v1(19.15,33.27)
PLSR1_POS2: length 28.8
  TOP w0.152: v1(27.6,24.54) 18.4,15.34 11.35,15.34 11.2,15.19 11.2,10.87 v1(10.67,10.34)
  BOTTOM w0.152: v1(27.6,24.54) 28.23,25.17 U7.10 ; v1(10.67,10.34) 10.79,10.46 10.79,11.2 11.33,11.73 J3.H35
PLSR1_POS2_3V3: length 59.2
  TOP w0.152: v1(21.46,84.3) 21.46,84.33 21.25,84.54 U36.14
  L3 - SIG1 w0.152: v1(27.58,32.77) 27.58,32.96 27.41,33.13 27.41,33.14 18.4,42.15 18.4,80.34 21.46,83.4 v1(21.46,84.3)
  BOTTOM w0.152: U7.14 v1(27.58,32.77)
PLSR1_POS3: length 22.9
  TOP w0.152: v1(27.99,23.06) 27.99,22.79 17.9,12.7 v1(14.58,12.7)
  BOTTOM w0.152: J3.H32 15.14,12.04 15.12,12.04 14.58,12.58 v1(14.58,12.7) ; v1(27.99,23.06) 28.84,23.06 30.18,24.41 U7.7
PLSR1_POS3_3V3: length 62
  TOP w0.152: U36.18 23.36,86.75 23.88,86.23 v1(23.88,86.11)
  L3 - SIG1 w0.152: v1(23.88,86.11) 23.88,81.66 19.24,77.03 19.24,43.44 v1(26.67,36.01)
  BOTTOM w0.152: v1(26.67,36.01) 29.53,33.15 U7.17
PLSR1_SEL0: length 22.4
  L8 - SIG4 w0.152: v1(20.85,6.32) 20.85,16.1 16.55,20.41 v1(16.55,24.74)
  BOTTOM w0.152: U6.10 v1(16.55,24.74) ; J3.C27 v1(20.85,6.32)
PLSR1_SEL0_3V3: length 58.5
  TOP w0.152: v1(12.45,86.87) 12.82,87.25 U36.62
  L3 - SIG1 w0.152: v1(12.45,86.87) 12.48,86.84 12.48,80.85 16.17,77.17 16.17,33.64 15.9,33.38 v1(15.9,33.02)
  BOTTOM w0.152: U6.14 v1(15.9,33.02)
PLSR1_SEL1: length 21
  L3 - SIG1 w0.152: v1(15.85,22.61) 15.85,12.59 v1(13.21,9.94)
  BOTTOM w0.152: v1(13.21,9.94) 13.21,10.97 12.67,11.51 12.67,11.94 12.6,12.01 12.6,12.03 J3.H34 ; U6.7 18.5,24.67 16.44,22.61 v1(15.85,22.61)
PLSR1_SEL1_3V3: length 54.8
  TOP w0.152: U36.2 v1(15.25,84.58)
  L3 - SIG1 w0.152: v1(17.85,33.27) 17.01,34.12 17.01,80.62 15.25,82.38 v1(15.25,84.58)
  BOTTOM w0.152: U6.17 v1(17.85,33.27)
PLSR1_SEL2: length 23.6
  L3 - SIG1 w0.152: 20.45,24.33 v1(20.45,24.33)
  L8 - SIG4 w0.152: v1(24.71,7.59) 27.71,10.59 27.71,12.32 20.45,19.58 v1(20.45,24.33)
  BOTTOM w0.152: J3.D24 25.3,6.96 25.28,6.99 25.28,7.03 v1(24.71,7.59) ; U6.4 v1(20.45,24.33)
